# KiCad board EOutside.kicad_pcb (continued)
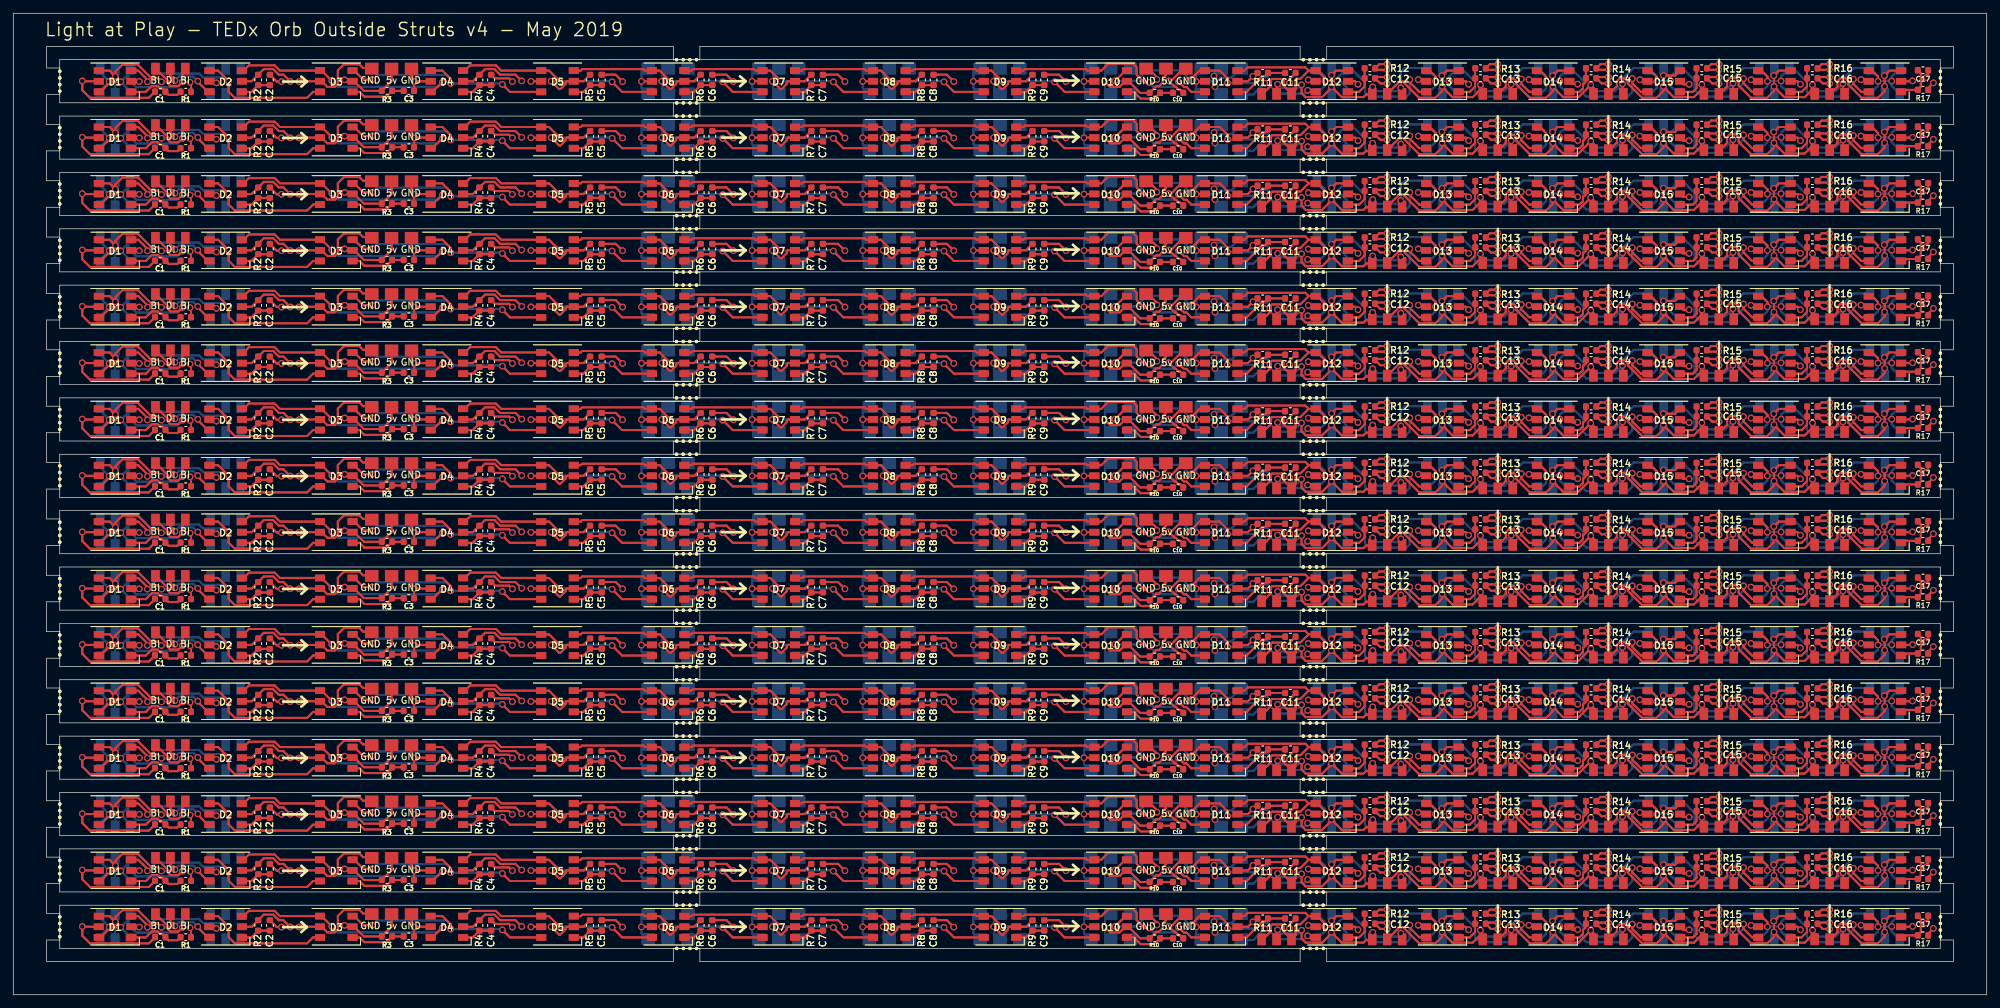
[diagram p0: board, top side]
## Routing (per net, layer and track width the routed paths; a pad name or vN(x,y) marks a point on that pad's centre or on a via; arc(x,y) is an arc through that point) (continued)
  Bottom w0.3: 200.92,127.25 200.97,127.3 200.92,127.25 ; 200.92,127.25 200.92,128.3 ; 200.92,127.25 200.92,128.3 ; 196.42,131.18 197.62,129.97 ; 196.42,131.18 196.42,131.3 196.42,131.18 ; 196.42,131.18 197.62,129.97 ; 197.62,129.97 v1(197.62,129.3) ; 197.62,129.97 v1(197.62,129.3) ; 196.42,127.38 197.62,128.58 ; 196.42,127.38 196.42,127.25 196.42,127.38 ; 196.42,127.38 197.62,128.58 ; 197.62,128.58 197.62,128.6 ; 197.62,128.58 197.62,128.6 ; 197.62,128.6 v1(197.62,129.3) ; 197.62,128.6 v1(197.62,129.3) ; 200.92,131.18 199.45,129.71 ; 200.92,131.18 200.92,131.3 ; 200.92,131.18 200.92,131.3 ; 200.92,131.18 199.45,129.71 ; 199.45,129.71 v1(199.45,129.3) ; 199.45,129.71 v1(199.45,129.3) ; 200.92,131.3 201.43,131.3 ; 200.92,131.3 201.43,131.3 ; v1(199.45,129.3) 199.92,129.3 ; v1(199.45,129.3) 199.92,129.3 ; 200.92,128.3 199.92,129.3 ; 200.92,128.3 199.92,129.3 ; 203.68,127.57 204.32,126.93 ; 203.68,127.57 203.68,129.05 ; 203.68,127.57 203.68,129.05 ; 203.68,127.57 204.32,126.93 ; 204.32,126.93 209.9,126.93 ; 204.32,126.93 209.9,126.93 ; 209.9,126.93 210.4,127.43 ; 209.9,126.93 210.4,127.43 ; 203.68,129.05 201.43,131.3 ; 203.68,129.05 201.43,131.3 ; 210.4,127.43 v1(210.4,129.5) 210.4,127.43 ; 200.92,118.75 200.97,118.8 200.92,118.75 ; 200.92,118.75 200.92,119.8 ; 200.92,118.75 200.92,119.8 ; 196.42,122.68 197.62,121.47 ; 196.42,122.68 196.42,122.8 196.42,122.68 ; 196.42,122.68 197.62,121.47 ; 197.62,121.47 v1(197.62,120.8) ; 197.62,121.47 v1(197.62,120.8) ; 196.42,118.88 197.62,120.08 ; 196.42,118.88 196.42,118.75 196.42,118.88 ; 196.42,118.88 197.62,120.08 ; 197.62,120.08 197.62,120.1 ; 197.62,120.08 197.62,120.1 ; 197.62,120.1 v1(197.62,120.8) ; 197.62,120.1 v1(197.62,120.8) ; 200.92,122.68 199.45,121.21 ; 200.92,122.68 200.92,122.8 ; 200.92,122.68 199.45,121.21 ; 200.92,122.68 200.92,122.8 ; 199.45,121.21 v1(199.45,120.8) ; 199.45,121.21 v1(199.45,120.8) ; 200.92,122.8 201.43,122.8 ; 200.92,122.8 201.43,122.8 ; v1(199.45,120.8) 199.92,120.8 ; v1(199.45,120.8) 199.92,120.8 ; 200.92,119.8 199.92,120.8 ; 200.92,119.8 199.92,120.8 ; 203.68,119.07 204.32,118.43 ; 203.68,119.07 203.68,120.55 ; 203.68,119.07 204.32,118.43 ; 203.68,119.07 203.68,120.55 ; 204.32,118.43 209.9,118.43 ; 204.32,118.43 209.9,118.43 ; 209.9,118.43 210.4,118.93 ; 209.9,118.43 210.4,118.93 ; 203.68,120.55 201.43,122.8 ; 203.68,120.55 201.43,122.8 ; 210.4,118.93 v1(210.4,121) 210.4,118.93 ; 196.42,110.38 196.42,110.25 196.42,110.38 ; 196.42,110.38 197.62,111.58 ; 196.42,110.38 197.62,111.58 ; 197.62,111.6 v1(197.62,112.3) ; 197.62,111.6 197.62,111.58 ; 197.62,111.6 v1(197.62,112.3) ; 197.62,111.6 197.62,111.58 ; v1(197.62,112.3) 197.62,112.97 ; v1(197.62,112.3) 197.62,112.97 ; 197.62,112.97 196.42,114.18 ; 197.62,112.97 196.42,114.18 ; 196.42,114.18 196.42,114.3 196.42,114.18 ; 200.92,110.25 200.97,110.3 200.92,110.25 ; 200.92,110.25 200.92,111.3 ; 200.92,110.25 200.92,111.3 ; 200.92,111.3 199.92,112.3 ; 200.92,111.3 199.92,112.3 ; 199.45,112.71 v1(199.45,112.3) ; 199.45,112.71 200.92,114.18 ; 199.45,112.71 v1(199.45,112.3) ; 199.45,112.71 200.92,114.18 ; v1(199.45,112.3) 199.92,112.3 ; v1(199.45,112.3) 199.92,112.3 ; 201.43,114.3 203.68,112.05 ; 201.43,114.3 200.92,114.3 ; 201.43,114.3 203.68,112.05 ; 201.43,114.3 200.92,114.3 ; 203.68,112.05 203.68,110.57 ; 203.68,112.05 203.68,110.57 ; 200.92,114.3 200.92,114.18 ; 200.92,114.3 200.92,114.18 ; 203.68,110.57 204.32,109.93 ; 203.68,110.57 204.32,109.93 ; 204.32,109.93 209.9,109.93 ; 204.32,109.93 209.9,109.93 ; 209.9,109.93 210.4,110.43 ; 209.9,109.93 210.4,110.43 ; 210.4,110.43 v1(210.4,112.5) 210.4,110.43 ; 200.92,135.75 200.97,135.8 200.92,135.75 ; 200.92,135.75 200.92,136.8 ; 200.92,135.75 200.92,136.8 ; 196.42,139.68 197.62,138.47 ; 196.42,139.68 196.42,139.8 196.42,139.68 ; 196.42,139.68 197.62,138.47 ; 197.62,138.47 v1(197.62,137.8) ; 197.62,138.47 v1(197.62,137.8) ; 196.42,135.88 197.62,137.08 ; 196.42,135.88 196.42,135.75 196.42,135.88 ; 196.42,135.88 197.62,137.08 ; 197.62,137.08 197.62,137.1 ; 197.62,137.08 197.62,137.1 ; 197.62,137.1 v1(197.62,137.8) ; 197.62,137.1 v1(197.62,137.8) ; 200.92,139.68 199.45,138.21 ; 200.92,139.68 200.92,139.8 ; 200.92,139.68 199.45,138.21 ; 200.92,139.68 200.92,139.8 ; 199.45,138.21 v1(199.45,137.8) ; 199.45,138.21 v1(199.45,137.8) ; 200.92,139.8 201.43,139.8 ; 200.92,139.8 201.43,139.8 ; v1(199.45,137.8) 199.92,137.8 ; v1(199.45,137.8) 199.92,137.8 ; 200.92,136.8 199.92,137.8 ; 200.92,136.8 199.92,137.8 ; 203.68,136.07 204.32,135.43 ; 203.68,136.07 203.68,137.55 ; 203.68,136.07 204.32,135.43 ; 203.68,136.07 203.68,137.55 ; 204.32,135.43 209.9,135.43 ; 204.32,135.43 209.9,135.43 ; 209.9,135.43 210.4,135.93 ; 209.9,135.43 210.4,135.93 ; 203.68,137.55 201.43,139.8 ; 203.68,137.55 201.43,139.8 ; 210.4,135.93 v1(210.4,138) 210.4,135.93 ; 200.92,101.75 200.97,101.8 200.92,101.75 ; 200.92,101.75 200.92,102.8 ; 200.92,101.75 200.92,102.8 ; 196.42,105.68 197.62,104.47 ; 196.42,105.68 196.42,105.8 196.42,105.68 ; 196.42,105.68 197.62,104.47 ; 197.62,104.47 v1(197.62,103.8) ; 197.62,104.47 v1(197.62,103.8) ; 196.42,101.88 197.62,103.08 ; 196.42,101.88 196.42,101.75 196.42,101.88 ; 196.42,101.88 197.62,103.08 ; 197.62,103.08 197.62,103.1 ; 197.62,103.08 197.62,103.1 ; 197.62,103.1 v1(197.62,103.8) ; 197.62,103.1 v1(197.62,103.8) ; 200.92,105.68 199.45,104.21 ; 200.92,105.68 200.92,105.8 ; 200.92,105.68 199.45,104.21 ; 200.92,105.68 200.92,105.8 ; 199.45,104.21 v1(199.45,103.8) ; 199.45,104.21 v1(199.45,103.8) ; 200.92,105.8 201.43,105.8 ; 200.92,105.8 201.43,105.8 ; v1(199.45,103.8) 199.92,103.8 ; v1(199.45,103.8) 199.92,103.8 ; 200.92,102.8 199.92,103.8 ; 200.92,102.8 199.92,103.8 ; 203.68,102.07 204.32,101.43 ; 203.68,102.07 203.68,103.55 ; 203.68,102.07 204.32,101.43 ; 203.68,102.07 203.68,103.55 ; 204.32,101.43 209.9,101.43 ; 204.32,101.43 209.9,101.43 ; 209.9,101.43 210.4,101.93 ; 209.9,101.43 210.4,101.93 ; 203.68,103.55 201.43,105.8 ; 203.68,103.55 201.43,105.8 ; 210.4,101.93 v1(210.4,104) 210.4,101.93 ; 196.42,93.38 196.42,93.25 196.42,93.38 ; 196.42,93.38 197.62,94.58 ; 196.42,93.38 197.62,94.58 ; 197.62,94.6 v1(197.62,95.3) ; 197.62,94.6 197.62,94.58 ; 197.62,94.6 v1(197.62,95.3) ; 197.62,94.6 197.62,94.58 ; v1(197.62,95.3) 197.62,95.97 ; v1(197.62,95.3) 197.62,95.97 ; 197.62,95.97 196.42,97.18 ; 197.62,95.97 196.42,97.18 ; 196.42,97.18 196.42,97.3 196.42,97.18 ; 200.92,93.25 200.97,93.3 200.92,93.25 ; 200.92,93.25 200.92,94.3 ; 200.92,93.25 200.92,94.3 ; 200.92,94.3 199.92,95.3 ; 200.92,94.3 199.92,95.3 ; 199.45,95.71 v1(199.45,95.3) ; 199.45,95.71 200.92,97.18 ; 199.45,95.71 v1(199.45,95.3) ; 199.45,95.71 200.92,97.18 ; v1(199.45,95.3) 199.92,95.3 ; v1(199.45,95.3) 199.92,95.3 ; 201.43,97.3 203.68,95.05 ; 201.43,97.3 200.92,97.3 ; 201.43,97.3 203.68,95.05 ; 201.43,97.3 200.92,97.3 ; 203.68,95.05 203.68,93.57 ; 203.68,95.05 203.68,93.57 ; 200.92,97.3 200.92,97.18 ; 200.92,97.3 200.92,97.18 ; 203.68,93.57 204.32,92.93 ; 203.68,93.57 204.32,92.93 ; 204.32,92.93 209.9,92.93 ; 204.32,92.93 209.9,92.93 ; 209.9,92.93 210.4,93.43 ; 209.9,92.93 210.4,93.43 ; 210.4,93.43 v1(210.4,95.5) 210.4,93.43 ; 200.92,76.25 200.97,76.3 200.92,76.25 ; 200.92,76.25 200.92,77.3 ; 200.92,76.25 200.92,77.3 ; 200.92,77.3 199.92,78.3 ; 200.92,77.3 199.92,78.3 ; 199.45,78.71 v1(199.45,78.3) ; 199.45,78.71 200.92,80.18 ; 199.45,78.71 v1(199.45,78.3) ; 199.45,78.71 200.92,80.18 ; v1(199.45,78.3) 199.92,78.3 ; v1(199.45,78.3) 199.92,78.3 ; 201.43,80.3 203.68,78.05 ; 201.43,80.3 200.92,80.3 ; 201.43,80.3 203.68,78.05 ; 201.43,80.3 200.92,80.3 ; 203.68,78.05 203.68,76.57 ; 203.68,78.05 203.68,76.57 ; 200.92,80.3 200.92,80.18 ; 200.92,80.3 200.92,80.18 ; 203.68,76.57 204.32,75.93 ; 203.68,76.57 204.32,75.93 ; 204.32,75.93 209.9,75.93 ; 204.32,75.93 209.9,75.93 ; 209.9,75.93 210.4,76.43 ; 209.9,75.93 210.4,76.43 ; 210.4,76.43 v1(210.4,78.5) 210.4,76.43 ; 196.42,76.38 196.42,76.25 196.42,76.38 ; 196.42,76.38 197.62,77.58 ; 196.42,76.38 197.62,77.58 ; 197.62,77.6 v1(197.62,78.3) ; 197.62,77.6 197.62,77.58 ; 197.62,77.6 v1(197.62,78.3) ; 197.62,77.6 197.62,77.58 ; v1(197.62,78.3) 197.62,78.97 ; v1(197.62,78.3) 197.62,78.97 ; 197.62,78.97 196.42,80.18 ; 197.62,78.97 196.42,80.18 ; 196.42,80.18 196.42,80.3 196.42,80.18 ; 210.4,84.93 v1(210.4,87) 210.4,84.93 ; 210.4,84.93 209.9,84.43 ; 210.4,84.93 209.9,84.43 ; 201.43,88.8 203.68,86.55 ; 201.43,88.8 200.92,88.8 ; 201.43,88.8 200.92,88.8 ; 201.43,88.8 203.68,86.55 ; 203.68,86.55 203.68,85.07 ; 203.68,86.55 203.68,85.07 ; 209.9,84.43 204.32,84.43 ; 209.9,84.43 204.32,84.43 ; 200.92,88.8 200.92,88.68 ; 200.92,88.8 200.92,88.68 ; 200.92,84.75 200.97,84.8 200.92,84.75 ; 200.92,84.75 200.92,85.8 ; 200.92,84.75 200.92,85.8 ; 196.42,88.68 197.62,87.47 ; 196.42,88.68 196.42,88.8 196.42,88.68 ; 196.42,88.68 197.62,87.47 ; 197.62,87.47 v1(197.62,86.8) ; 197.62,87.47 v1(197.62,86.8) ; 196.42,84.88 197.62,86.08 ; 196.42,84.88 196.42,84.75 196.42,84.88 ; 196.42,84.88 197.62,86.08 ; 197.62,86.08 197.62,86.1 ; 197.62,86.08 197.62,86.1 ; 197.62,86.1 v1(197.62,86.8) ; 197.62,86.1 v1(197.62,86.8) ; 200.92,88.68 199.45,87.21 ; 200.92,88.68 199.45,87.21 ; 199.45,87.21 v1(199.45,86.8) ; 199.45,87.21 v1(199.45,86.8) ; v1(199.45,86.8) 199.92,86.8 ; v1(199.45,86.8) 199.92,86.8 ; 200.92,85.8 199.92,86.8 ; 200.92,85.8 199.92,86.8 ; 203.68,85.07 204.32,84.43 ; 203.68,85.07 204.32,84.43 ; 200.92,67.75 200.97,67.8 200.92,67.75 ; 200.92,67.75 200.92,68.8 ; 200.92,67.75 200.92,68.8 ; 196.42,71.68 197.62,70.47 ; 196.42,71.68 196.42,71.8 196.42,71.68 ; 196.42,71.68 197.62,70.47 ; 197.62,70.47 v1(197.62,69.8) ; 197.62,70.47 v1(197.62,69.8) ; 196.42,67.88 197.62,69.08 ; 196.42,67.88 196.42,67.75 196.42,67.88 ; 196.42,67.88 197.62,69.08 ; 197.62,69.08 197.62,69.1 ; 197.62,69.08 197.62,69.1 ; 197.62,69.1 v1(197.62,69.8) ; 197.62,69.1 v1(197.62,69.8) ; 200.92,71.68 199.45,70.21 ; 200.92,71.68 200.92,71.8 ; 200.92,71.68 199.45,70.21 ; 200.92,71.68 200.92,71.8 ; 199.45,70.21 v1(199.45,69.8) ; 199.45,70.21 v1(199.45,69.8) ; 200.92,71.8 201.43,71.8 ; 200.92,71.8 201.43,71.8 ; v1(199.45,69.8) 199.92,69.8 ; v1(199.45,69.8) 199.92,69.8 ; 200.92,68.8 199.92,69.8 ; 200.92,68.8 199.92,69.8 ; 203.68,68.07 204.32,67.43 ; 203.68,68.07 203.68,69.55 ; 203.68,68.07 204.32,67.43 ; 203.68,68.07 203.68,69.55 ; 204.32,67.43 209.9,67.43 ; 204.32,67.43 209.9,67.43 ; 209.9,67.43 210.4,67.93 ; 209.9,67.43 210.4,67.93 ; 203.68,69.55 201.43,71.8 ; 203.68,69.55 201.43,71.8 ; 210.4,67.93 v1(210.4,70) 210.4,67.93 ; 200.92,59.25 200.92,60.3 ; 200.92,59.25 200.97,59.3 200.92,59.25 ; 200.92,59.25 200.92,60.3 ; 200.92,60.3 199.92,61.3 ; 200.92,60.3 199.92,61.3 ; 199.45,61.71 v1(199.45,61.3) ; 199.45,61.71 200.92,63.18 ; 199.45,61.71 v1(199.45,61.3) ; 199.45,61.71 200.92,63.18 ; v1(199.45,61.3) 199.92,61.3 ; v1(199.45,61.3) 199.92,61.3 ; 201.43,63.3 203.68,61.05 ; 201.43,63.3 200.92,63.3 ; 201.43,63.3 203.68,61.05 ; 201.43,63.3 200.92,63.3 ; 203.68,61.05 203.68,59.57 ; 203.68,61.05 203.68,59.57 ; 200.92,63.3 200.92,63.18 ; 200.92,63.3 200.92,63.18 ; 203.68,59.57 204.32,58.93 ; 203.68,59.57 204.32,58.93 ; 204.32,58.93 209.9,58.93 ; 204.32,58.93 209.9,58.93 ; 209.9,58.93 210.4,59.43 ; 209.9,58.93 210.4,59.43 ; 210.4,59.43 v1(210.4,61.5) 210.4,59.43 ; 196.42,59.38 196.42,59.25 196.42,59.38 ; 196.42,59.38 197.62,60.58 ; 196.42,59.38 197.62,60.58 ; 197.62,60.6 v1(197.62,61.3) ; 197.62,60.6 197.62,60.58 ; 197.62,60.6 v1(197.62,61.3) ; 197.62,60.6 197.62,60.58 ; v1(197.62,61.3) 197.62,61.97 ; v1(197.62,61.3) 197.62,61.97 ; 197.62,61.97 196.42,63.18 ; 197.62,61.97 196.42,63.18 ; 196.42,63.18 196.42,63.3 196.42,63.18 ; 200.92,42.25 200.97,42.3 200.92,42.25 ; 200.92,42.25 200.92,43.3 ; 200.92,42.25 200.92,43.3 ; 200.92,43.3 199.92,44.3 ; 200.92,43.3 199.92,44.3 ; 199.45,44.71 v1(199.45,44.3) ; 199.45,44.71 200.92,46.18 ; 199.45,44.71 v1(199.45,44.3) ; 199.45,44.71 200.92,46.18 ; v1(199.45,44.3) 199.92,44.3 ; v1(199.45,44.3) 199.92,44.3 ; 201.43,46.3 203.68,44.05 ; 201.43,46.3 200.92,46.3 ; 201.43,46.3 203.68,44.05 ; 201.43,46.3 200.92,46.3 ; 203.68,44.05 203.68,42.57 ; 203.68,44.05 203.68,42.57 ; 200.92,46.3 200.92,46.18 ; 200.92,46.3 200.92,46.18 ; 203.68,42.57 204.32,41.93 ; 203.68,42.57 204.32,41.93 ; 204.32,41.93 209.9,41.93 ; 204.32,41.93 209.9,41.93 ; 209.9,41.93 210.4,42.43 ; 209.9,41.93 210.4,42.43 ; 210.4,42.43 v1(210.4,44.5) 210.4,42.43 ; 196.42,46.18 197.62,44.97 ; 196.42,46.18 196.42,46.3 196.42,46.18 ; 196.42,46.18 197.62,44.97 ; 197.62,44.97 v1(197.62,44.3) ; 197.62,44.97 v1(197.62,44.3) ; 197.62,43.58 197.62,43.6 ; 197.62,43.58 196.42,42.38 ; 197.62,43.58 197.62,43.6 ; 197.62,43.58 196.42,42.38 ; 197.62,43.6 v1(197.62,44.3) ; 197.62,43.6 v1(197.62,44.3) ; 196.42,42.38 196.42,42.25 196.42,42.38 ; 210.4,50.93 v1(210.4,53) 210.4,50.93 ; 210.4,50.93 209.9,50.43 ; 210.4,50.93 209.9,50.43 ; 201.43,54.8 203.68,52.55 ; 201.43,54.8 200.92,54.8 ; 201.43,54.8 200.92,54.8 ; 201.43,54.8 203.68,52.55 ; 203.68,52.55 203.68,51.07 ; 203.68,52.55 203.68,51.07 ; 209.9,50.43 204.32,50.43 ; 209.9,50.43 204.32,50.43 ; 200.92,54.8 200.92,54.68 ; 200.92,54.8 200.92,54.68 ; 200.92,50.75 200.97,50.8 200.92,50.75 ; 200.92,50.75 200.92,51.8 ; 200.92,50.75 200.92,51.8 ; 196.42,54.68 197.62,53.47 ; 196.42,54.68 196.42,54.8 196.42,54.68 ; 196.42,54.68 197.62,53.47 ; 197.62,53.47 v1(197.62,52.8) ; 197.62,53.47 v1(197.62,52.8) ; 196.42,50.88 197.62,52.08 ; 196.42,50.88 196.42,50.75 196.42,50.88 ; 196.42,50.88 197.62,52.08 ; 197.62,52.08 197.62,52.1 ; 197.62,52.08 197.62,52.1 ; 197.62,52.1 v1(197.62,52.8) ; 197.62,52.1 v1(197.62,52.8) ; 200.92,54.68 199.45,53.21 ; 200.92,54.68 199.45,53.21 ; 199.45,53.21 v1(199.45,52.8) ; 199.45,53.21 v1(199.45,52.8) ; v1(199.45,52.8) 199.92,52.8 ; v1(199.45,52.8) 199.92,52.8 ; 200.92,51.8 199.92,52.8 ; 200.92,51.8 199.92,52.8 ; 203.68,51.07 204.32,50.43 ; 203.68,51.07 204.32,50.43 ; 196.42,25.38 196.42,25.25 196.42,25.38 ; 196.42,25.38 197.62,26.58 ; 196.42,25.38 197.62,26.58 ; 197.62,26.6 v1(197.62,27.3) ; 197.62,26.6 197.62,26.58 ; 197.62,26.6 v1(197.62,27.3) ; 197.62,26.6 197.62,26.58 ; v1(197.62,27.3) 197.62,27.97 ; v1(197.62,27.3) 197.62,27.97 ; 197.62,27.97 196.42,29.18 ; 197.62,27.97 196.42,29.18 ; 196.42,29.18 196.42,29.3 196.42,29.18 ; 200.92,25.25 200.97,25.3 200.92,25.25 ; 200.92,25.25 200.92,26.3 ; 200.92,25.25 200.92,26.3 ; 200.92,26.3 199.92,27.3 ; 200.92,26.3 199.92,27.3 ; 199.45,27.71 v1(199.45,27.3) ; 199.45,27.71 200.92,29.18 ; 199.45,27.71 v1(199.45,27.3) ; 199.45,27.71 200.92,29.18 ; v1(199.45,27.3) 199.92,27.3 ; v1(199.45,27.3) 199.92,27.3 ; 201.43,29.3 203.68,27.05 ; 201.43,29.3 200.92,29.3 ; 201.43,29.3 203.68,27.05 ; 201.43,29.3 200.92,29.3 ; 203.68,27.05 203.68,25.57 ; 203.68,27.05 203.68,25.57 ; 200.92,29.3 200.92,29.18 ; 200.92,29.3 200.92,29.18 ; 203.68,25.57 204.32,24.93 ; 203.68,25.57 204.32,24.93 ; 204.32,24.93 209.9,24.93 ; 204.32,24.93 209.9,24.93 ; 209.9,24.93 210.4,25.43 ; 209.9,24.93 210.4,25.43 ; 210.4,25.43 v1(210.4,27.5) 210.4,25.43 ; 200.92,33.75 200.97,33.8 200.92,33.75 ; 200.92,33.75 200.92,34.8 ; 200.92,33.75 200.92,34.8 ; 196.42,37.68 197.62,36.47 ; 196.42,37.68 196.42,37.8 196.42,37.68 ; 196.42,37.68 197.62,36.47 ; 197.62,36.47 v1(197.62,35.8) ; 197.62,36.47 v1(197.62,35.8) ; 196.42,33.88 197.62,35.08 ; 196.42,33.88 196.42,33.75 196.42,33.88 ; 196.42,33.88 197.62,35.08 ; 197.62,35.08 197.62,35.1 ; 197.62,35.08 197.62,35.1 ; 197.62,35.1 v1(197.62,35.8) ; 197.62,35.1 v1(197.62,35.8) ; 200.92,37.68 199.45,36.21 ; 200.92,37.68 200.92,37.8 ; 200.92,37.68 199.45,36.21 ; 200.92,37.68 200.92,37.8 ; 199.45,36.21 v1(199.45,35.8) ; 199.45,36.21 v1(199.45,35.8) ; 200.92,37.8 201.43,37.8 ; 200.92,37.8 201.43,37.8 ; v1(199.45,35.8) 199.92,35.8 ; v1(199.45,35.8) 199.92,35.8 ; 200.92,34.8 199.92,35.8 ; 200.92,34.8 199.92,35.8 ; 203.68,34.07 204.32,33.43 ; 203.68,34.07 203.68,35.55 ; 203.68,34.07 204.32,33.43 ; 203.68,34.07 203.68,35.55 ; 204.32,33.43 209.9,33.43 ; 204.32,33.43 209.9,33.43 ; 209.9,33.43 210.4,33.93 ; 209.9,33.43 210.4,33.93 ; 203.68,35.55 201.43,37.8 ; 203.68,35.55 201.43,37.8 ; 210.4,33.93 v1(210.4,36) 210.4,33.93 ; 196.42,12.18 197.62,10.97 ; 196.42,12.18 196.42,12.3 196.42,12.18 ; 196.42,12.18 197.62,10.97 ; 197.62,10.97 v1(197.62,10.3) ; 197.62,10.97 v1(197.62,10.3) ; 197.62,9.58 197.62,9.6 ; 197.62,9.58 196.42,8.38 ; 197.62,9.58 197.62,9.6 ; 197.62,9.58 196.42,8.38 ; 197.62,9.6 v1(197.62,10.3) ; 197.62,9.6 v1(197.62,10.3) ; 196.42,8.38 196.42,8.25 196.42,8.38 ; 210.4,16.93 v1(210.4,19) 210.4,16.93 ; 210.4,16.93 209.9,16.43 ; 210.4,16.93 209.9,16.43 ; 201.43,20.8 203.68,18.55 ; 201.43,20.8 200.92,20.8 ; 201.43,20.8 200.92,20.8 ; 201.43,20.8 203.68,18.55 ; 203.68,18.55 203.68,17.07 ; 203.68,18.55 203.68,17.07 ; 209.9,16.43 204.32,16.43 ; 209.9,16.43 204.32,16.43 ; 200.92,20.8 200.92,20.68 ; 200.92,20.8 200.92,20.68 ; 200.92,16.75 200.97,16.8 200.92,16.75 ; 200.92,16.75 200.92,17.8 ; 200.92,16.75 200.92,17.8 ; 196.42,20.68 197.62,19.47 ; 196.42,20.68 196.42,20.8 196.42,20.68 ; 196.42,20.68 197.62,19.47 ; 197.62,19.47 v1(197.62,18.8) ; 197.62,19.47 v1(197.62,18.8) ; 196.42,16.88 197.62,18.08 ; 196.42,16.88 196.42,16.75 196.42,16.88 ; 196.42,16.88 197.62,18.08 ; 197.62,18.08 197.62,18.1 ; 197.62,18.08 197.62,18.1 ; 197.62,18.1 v1(197.62,18.8) ; 197.62,18.1 v1(197.62,18.8) ; 200.92,20.68 199.45,19.21 ; 200.92,20.68 199.45,19.21 ; 199.45,19.21 v1(199.45,18.8) ; 199.45,19.21 v1(199.45,18.8) ; v1(199.45,18.8) 199.92,18.8 ; v1(199.45,18.8) 199.92,18.8 ; 200.92,17.8 199.92,18.8 ; 200.92,17.8 199.92,18.8 ; 203.68,17.07 204.32,16.43 ; 203.68,17.07 204.32,16.43 ; 200.92,8.25 200.92,9.3 ; 200.92,8.25 200.97,8.3 200.92,8.25 ; 200.92,8.25 200.92,9.3 ; 200.92,9.3 199.92,10.3 ; 200.92,9.3 199.92,10.3 ; 199.45,10.71 v1(199.45,10.3) ; 199.45,10.71 200.92,12.18 ; 199.45,10.71 v1(199.45,10.3) ; 199.45,10.71 200.92,12.18 ; v1(199.45,10.3) 199.92,10.3 ; v1(199.45,10.3) 199.92,10.3 ; 201.43,12.3 203.68,10.05 ; 201.43,12.3 200.92,12.3 ; 201.43,12.3 203.68,10.05 ; 201.43,12.3 200.92,12.3 ; 203.68,10.05 203.68,8.57 ; 203.68,10.05 203.68,8.57 ; 200.92,12.3 200.92,12.18 ; 200.92,12.3 200.92,12.18 ; 203.68,8.57 204.32,7.93 ; 203.68,8.57 204.32,7.93 ; 204.32,7.93 209.9,7.93 ; 204.32,7.93 209.9,7.93 ; 209.9,7.93 210.4,8.43 ; 209.9,7.93 210.4,8.43 ; 210.4,8.43 v1(210.4,10.5) 210.4,8.43
Net-(D12-Pad3): length 2307.8
  Top w0.3: 203.83,127.25 203.42,126.85 ; 203.83,127.25 204.75,127.25 ; 203.83,127.25 203.42,126.85 ; 203.83,127.25 204.75,127.25 ; 203.42,126.85 200.17,126.85 ; 203.42,126.85 200.17,126.85 ; 194.72,126.85 197.2,126.85 ; 194.72,126.85 194.1,127.47 ; 194.72,126.85 197.2,126.85 ; 194.72,126.85 194.1,127.47 ; 197.2,126.85 198.6,128.25 ; 197.2,126.85 198.6,128.25 ; 198.6,128.25 v1(198.6,128.42) ; 198.6,128.25 v1(198.6,128.42) ; v1(198.6,128.42) 199.1,127.92 ; v1(198.6,128.42) 199.1,127.92 ; 194.1,127.47 v1(194.1,128.73) 194.1,127.47 ; 190.33,128.63 v1(190.5,128.8) 190.33,128.63 ; 190.33,128.63 190.33,127.25 190.33,128.63 ; D12#2.3 201.37,130.85 D12#2.3 ; D12#2.3 199.31,130.85 ; D12#2.3 199.31,130.85 ; 199.12,130.66 v1(198.62,130.16) 199.12,130.66 ; 199.12,130.66 199.31,130.85 ; 199.12,130.66 199.31,130.85 ; 204.75,127.25 204.75,128.34 ; 204.75,127.25 204.75,128.34 ; 200.17,126.85 199.1,127.92 ; 200.17,126.85 199.1,127.92 ; 209.05,127.56 v1(209.05,128.26) 209.05,127.56 ; 209.05,127.56 209.05,127.45 ; 209.05,127.56 209.05,127.45 ; 209.05,127.45 209.25,127.25 209.05,127.45 ; 204.75,128.34 v1(204.81,128.4) 204.75,128.34 ; 214.29,129.96 213.39,130.85 ; 214.29,129.96 v1(214.29,129.25) 214.29,129.96 ; 214.29,129.96 213.39,130.85 ; 213.39,130.85 D13#2.4 213.39,130.85 ; 228.42,127.65 D14#2.6 228.42,127.65 ; 228.42,127.65 227.2,128.87 ; 228.42,127.65 227.2,128.87 ; 227.2,128.87 v1(227.2,129.58) 227.2,128.87 ; 203.83,118.75 203.42,118.35 ; 203.83,118.75 204.75,118.75 ; 203.83,118.75 203.42,118.35 ; 203.83,118.75 204.75,118.75 ; 203.42,118.35 200.17,118.35 ; 203.42,118.35 200.17,118.35 ; 194.72,118.35 197.2,118.35 ; 194.72,118.35 194.1,118.97 ; 194.72,118.35 197.2,118.35 ; 194.72,118.35 194.1,118.97 ; 197.2,118.35 198.6,119.75 ; 197.2,118.35 198.6,119.75 ; 198.6,119.75 v1(198.6,119.92) ; 198.6,119.75 v1(198.6,119.92) ; v1(198.6,119.92) 199.1,119.42 ; v1(198.6,119.92) 199.1,119.42 ; 194.1,118.97 v1(194.1,120.23) 194.1,118.97 ; 190.33,120.13 v1(190.5,120.3) 190.33,120.13 ; 190.33,120.13 190.33,118.75 190.33,120.13 ; D12#3.3 201.37,122.35 D12#3.3 ; D12#3.3 199.31,122.35 ; D12#3.3 199.31,122.35 ; 199.12,122.16 v1(198.62,121.66) 199.12,122.16 ; 199.12,122.16 199.31,122.35 ; 199.12,122.16 199.31,122.35 ; 204.75,118.75 204.75,119.84 ; 204.75,118.75 204.75,119.84 ; 200.17,118.35 199.1,119.42 ; 200.17,118.35 199.1,119.42 ; 209.05,119.06 v1(209.05,119.76) 209.05,119.06 ; 209.05,119.06 209.05,118.95 ; 209.05,119.06 209.05,118.95 ; 209.05,118.95 209.25,118.75 209.05,118.95 ; 204.75,119.84 v1(204.81,119.9) 204.75,119.84 ; 214.29,121.46 213.39,122.35 ; 214.29,121.46 v1(214.29,120.75) 214.29,121.46 ; 214.29,121.46 213.39,122.35 ; 213.39,122.35 D13#3.4 213.39,122.35 ; 228.42,119.15 D14#3.6 228.42,119.15 ; 228.42,119.15 227.2,120.37 ; 228.42,119.15 227.2,120.37 ; 227.2,120.37 v1(227.2,121.08) 227.2,120.37 ; 228.42,110.65 227.2,111.87 ; 228.42,110.65 D14#4.6 228.42,110.65 ; 228.42,110.65 227.2,111.87 ; 227.2,111.87 v1(227.2,112.58) 227.2,111.87 ; 203.83,110.25 203.42,109.85 ; 203.83,110.25 204.75,110.25 ; 203.83,110.25 204.75,110.25 ; 203.83,110.25 203.42,109.85 ; 203.42,109.85 200.17,109.85 ; 203.42,109.85 200.17,109.85 ; 198.6,111.25 v1(198.6,111.42) ; 198.6,111.25 197.2,109.85 ; 198.6,111.25 197.2,109.85 ; 198.6,111.25 v1(198.6,111.42) ; v1(198.6,111.42) 199.1,110.92 ; v1(198.6,111.42) 199.1,110.92 ; 194.72,109.85 197.2,109.85 ; 194.72,109.85 194.1,110.47 ; 194.72,109.85 194.1,110.47 ; 194.72,109.85 197.2,109.85 ; 214.29,112.96 v1(214.29,112.25) 214.29,112.96 ; 214.29,112.96 213.39,113.85 ; 214.29,112.96 213.39,113.85 ; 213.39,113.85 D13#4.4 213.39,113.85 ; 204.75,110.25 204.75,111.34 ; 204.75,110.25 204.75,111.34 ; 204.75,111.34 v1(204.81,111.4) 204.75,111.34 ; 209.05,110.56 v1(209.05,111.26) 209.05,110.56 ; 209.05,110.56 209.05,110.45 ; 209.05,110.56 209.05,110.45 ; 199.1,110.92 200.17,109.85 ; 199.1,110.92 200.17,109.85 ; 209.05,110.45 209.25,110.25 209.05,110.45 ; 199.31,113.85 199.12,113.66 ; 199.31,113.85 D12#4.3 ; 199.31,113.85 199.12,113.66 ; 199.31,113.85 D12#4.3 ; 199.12,113.66 v1(198.62,113.16) 199.12,113.66 ; D12#4.3 201.37,113.85 D12#4.3 ; 190.33,111.63 190.33,110.25 190.33,111.63 ; 190.33,111.63 v1(190.5,111.8) 190.33,111.63 ; 194.1,110.47 v1(194.1,111.73) 194.1,110.47 ; 203.83,135.75 203.42,135.35 ; 203.83,135.75 204.75,135.75 ; 203.83,135.75 203.42,135.35 ; 203.83,135.75 204.75,135.75 ; 203.42,135.35 200.17,135.35 ; 203.42,135.35 200.17,135.35 ; 194.72,135.35 197.2,135.35 ; 194.72,135.35 194.1,135.97 ; 194.72,135.35 197.2,135.35 ; 194.72,135.35 194.1,135.97 ; 197.2,135.35 198.6,136.75 ; 197.2,135.35 198.6,136.75 ; 198.6,136.75 v1(198.6,136.92) ; 198.6,136.75 v1(198.6,136.92) ; v1(198.6,136.92) 199.1,136.42 ; v1(198.6,136.92) 199.1,136.42 ; 194.1,135.97 v1(194.1,137.23) 194.1,135.97 ; 190.33,137.13 v1(190.5,137.3) 190.33,137.13 ; 190.33,137.13 190.33,135.75 190.33,137.13 ; D12.3 201.37,139.35 D12.3 ; D12.3 199.31,139.35 ; D12.3 199.31,139.35 ; 199.12,139.16 v1(198.62,138.66) 199.12,139.16 ; 199.12,139.16 199.31,139.35 ; 199.12,139.16 199.31,139.35 ; 204.75,135.75 204.75,136.84 ; 204.75,135.75 204.75,136.84 ; 200.17,135.35 199.1,136.42 ; 200.17,135.35 199.1,136.42 ; 209.05,136.06 v1(209.05,136.76) 209.05,136.06 ; 209.05,136.06 209.05,135.95 ; 209.05,136.06 209.05,135.95 ; 209.05,135.95 209.25,135.75 209.05,135.95 ; 204.75,136.84 v1(204.81,136.9) 204.75,136.84 ; 214.29,138.46 213.39,139.35 ; 214.29,138.46 v1(214.29,137.75) 214.29,138.46 ; 214.29,138.46 213.39,139.35 ; 213.39,139.35 D13.4 213.39,139.35 ; 228.42,136.15 D14.6 228.42,136.15 ; 228.42,136.15 227.2,137.37 ; 228.42,136.15 227.2,137.37 ; 227.2,137.37 v1(227.2,138.08) 227.2,137.37 ; 203.83,101.75 203.42,101.35 ; 203.83,101.75 204.75,101.75 ; 203.83,101.75 203.42,101.35 ; 203.83,101.75 204.75,101.75 ; 203.42,101.35 200.17,101.35 ; 203.42,101.35 200.17,101.35 ; 194.72,101.35 197.2,101.35 ; 194.72,101.35 194.1,101.97 ; 194.72,101.35 197.2,101.35 ; 194.72,101.35 194.1,101.97 ; 197.2,101.35 198.6,102.75 ; 197.2,101.35 198.6,102.75 ; 198.6,102.75 v1(198.6,102.92) ; 198.6,102.75 v1(198.6,102.92) ; v1(198.6,102.92) 199.1,102.42 ; v1(198.6,102.92) 199.1,102.42 ; 194.1,101.97 v1(194.1,103.23) 194.1,101.97 ; 190.33,103.13 v1(190.5,103.3) 190.33,103.13 ; 190.33,103.13 190.33,101.75 190.33,103.13 ; D12#11.3 201.37,105.35 D12#11.3 ; D12#11.3 199.31,105.35 ; D12#11.3 199.31,105.35 ; 199.12,105.16 v1(198.62,104.66) 199.12,105.16 ; 199.12,105.16 199.31,105.35 ; 199.12,105.16 199.31,105.35 ; 204.75,101.75 204.75,102.84 ; 204.75,101.75 204.75,102.84 ; 200.17,101.35 199.1,102.42 ; 200.17,101.35 199.1,102.42 ; 209.05,102.06 v1(209.05,102.76) 209.05,102.06 ; 209.05,102.06 209.05,101.95 ; 209.05,102.06 209.05,101.95 ; 209.05,101.95 209.25,101.75 209.05,101.95 ; 204.75,102.84 v1(204.81,102.9) 204.75,102.84 ; 214.29,104.46 213.39,105.35 ; 214.29,104.46 v1(214.29,103.75) 214.29,104.46 ; 214.29,104.46 213.39,105.35 ; 213.39,105.35 D13#11.4 213.39,105.35 ; 228.42,102.15 D14#11.6 228.42,102.15 ; 228.42,102.15 227.2,103.37 ; 228.42,102.15 227.2,103.37 ; 227.2,103.37 v1(227.2,104.08) 227.2,103.37 ; 228.42,93.65 227.2,94.87 ; 228.42,93.65 D14#14.6 228.42,93.65 ; 228.42,93.65 227.2,94.87 ; 227.2,94.87 v1(227.2,95.58) 227.2,94.87 ; 203.83,93.25 203.42,92.85 ; 203.83,93.25 204.75,93.25 ; 203.83,93.25 204.75,93.25 ; 203.83,93.25 203.42,92.85 ; 203.42,92.85 200.17,92.85 ; 203.42,92.85 200.17,92.85 ; 198.6,94.25 v1(198.6,94.42) ; 198.6,94.25 197.2,92.85 ; 198.6,94.25 197.2,92.85 ; 198.6,94.25 v1(198.6,94.42) ; v1(198.6,94.42) 199.1,93.92 ; v1(198.6,94.42) 199.1,93.92 ; 194.72,92.85 197.2,92.85 ; 194.72,92.85 194.1,93.47 ; 194.72,92.85 194.1,93.47 ; 194.72,92.85 197.2,92.85 ; 214.29,95.96 v1(214.29,95.25) 214.29,95.96 ; 214.29,95.96 213.39,96.85 ; 214.29,95.96 213.39,96.85 ; 213.39,96.85 D13#14.4 213.39,96.85 ; 204.75,93.25 204.75,94.34 ; 204.75,93.25 204.75,94.34 ; 204.75,94.34 v1(204.81,94.4) 204.75,94.34 ; 209.05,93.56 v1(209.05,94.26) 209.05,93.56 ; 209.05,93.56 209.05,93.45 ; 209.05,93.56 209.05,93.45 ; 199.1,93.92 200.17,92.85 ; 199.1,93.92 200.17,92.85 ; 209.05,93.45 209.25,93.25 209.05,93.45 ; 199.31,96.85 199.12,96.66 ; 199.31,96.85 D12#15.3 ; 199.31,96.85 199.12,96.66 ; 199.31,96.85 D12#15.3 ; 199.12,96.66 v1(198.62,96.16) 199.12,96.66 ; D12#15.3 201.37,96.85 D12#15.3 ; 190.33,94.63 190.33,93.25 190.33,94.63 ; 190.33,94.63 v1(190.5,94.8) 190.33,94.63 ; 194.1,93.47 v1(194.1,94.73) 194.1,93.47 ; 214.29,78.96 v1(214.29,78.25) 214.29,78.96 ; 214.29,78.96 213.39,79.85 ; 214.29,78.96 213.39,79.85 ; 213.39,79.85 D13#9.4 213.39,79.85 ; 204.75,76.25 204.75,77.34 ; 204.75,76.25 203.83,76.25 ; 204.75,76.25 204.75,77.34 ; 204.75,76.25 203.83,76.25 ; 204.75,77.34 v1(204.81,77.4) 204.75,77.34 ; 209.05,76.56 v1(209.05,77.26) 209.05,76.56 ; 209.05,76.56 209.05,76.45 ; 209.05,76.56 209.05,76.45 ; 199.1,76.92 v1(198.6,77.42) ; 199.1,76.92 200.17,75.85 ; 199.1,76.92 v1(198.6,77.42) ; 199.1,76.92 200.17,75.85 ; v1(198.6,77.42) 198.6,77.25 ; v1(198.6,77.42) 198.6,77.25 ; 209.05,76.45 209.25,76.25 209.05,76.45 ; 203.42,75.85 200.17,75.85 ; 203.42,75.85 203.83,76.25 ; 203.42,75.85 203.83,76.25 ; 203.42,75.85 200.17,75.85 ; 197.2,75.85 198.6,77.25 ; 197.2,75.85 194.72,75.85 ; 197.2,75.85 194.72,75.85 ; 197.2,75.85 198.6,77.25 ; 199.31,79.85 199.12,79.66 ; 199.31,79.85 D12#13.3 ; 199.31,79.85 199.12,79.66 ; 199.31,79.85 D12#13.3 ; 199.12,79.66 v1(198.62,79.16) 199.12,79.66 ; D12#13.3 201.37,79.85 D12#13.3 ; 190.33,77.63 190.33,76.25 190.33,77.63 ; 190.33,77.63 v1(190.5,77.8) 190.33,77.63 ; 194.1,76.47 v1(194.1,77.73) 194.1,76.47 ; 194.1,76.47 194.72,75.85 ; 194.1,76.47 194.72,75.85 ; 228.42,76.65 D14#10.6 228.42,76.65 ; 228.42,76.65 227.2,77.87 ; 228.42,76.65 227.2,77.87 ; 227.2,77.87 v1(227.2,78.58) 227.2,77.87 ; 228.42,85.15 D14#9.6 228.42,85.15 ; 228.42,85.15 227.2,86.37 ; 228.42,85.15 227.2,86.37 ; 227.2,86.37 v1(227.2,87.08) 227.2,86.37 ; 203.83,84.75 203.42,84.35 ; 203.83,84.75 204.75,84.75 ; 203.83,84.75 204.75,84.75 ; 203.83,84.75 203.42,84.35 ; 203.42,84.35 200.17,84.35 ; 203.42,84.35 200.17,84.35 ; 194.72,84.35 197.2,84.35 ; 194.72,84.35 194.1,84.97 ; 194.72,84.35 197.2,84.35 ; 194.72,84.35 194.1,84.97 ; 197.2,84.35 198.6,85.75 ; 197.2,84.35 198.6,85.75 ; 198.6,85.75 v1(198.6,85.92) ; 198.6,85.75 v1(198.6,85.92) ; v1(198.6,85.92) 199.1,85.42 ; v1(198.6,85.92) 199.1,85.42 ; 194.1,84.97 v1(194.1,86.23) 194.1,84.97 ; 190.33,86.13 v1(190.5,86.3) 190.33,86.13 ; 190.33,86.13 190.33,84.75 190.33,86.13 ; D12#9.3 201.37,88.35 D12#9.3 ; D12#9.3 199.31,88.35 ; D12#9.3 199.31,88.35 ; 199.31,88.35 199.12,88.16 ; 199.31,88.35 199.12,88.16 ; 199.12,88.16 v1(198.62,87.66) 199.12,88.16 ; 204.75,84.75 204.75,85.84 ; 204.75,84.75 204.75,85.84 ; 200.17,84.35 199.1,85.42 ; 200.17,84.35 199.1,85.42 ; 209.05,85.06 v1(209.05,85.76) 209.05,85.06 ; 209.05,85.06 209.05,84.95 ; 209.05,85.06 209.05,84.95 ; 209.05,84.95 209.25,84.75 209.05,84.95 ; 204.75,85.84 v1(204.81,85.9) 204.75,85.84 ; 214.29,87.46 213.39,88.35 ; 214.29,87.46 v1(214.29,86.75) 214.29,87.46 ; 214.29,87.46 213.39,88.35 ; 213.39,88.35 D13#10.4 213.39,88.35 ; 228.42,68.15 D14#22.6 228.42,68.15 ; 228.42,68.15 227.2,69.37 ; 228.42,68.15 227.2,69.37 ; 227.2,69.37 v1(227.2,70.08) 227.2,69.37 ; 194.1,67.97 v1(194.1,69.23) 194.1,67.97 ; 194.1,67.97 194.72,67.35 ; 194.1,67.97 194.72,67.35 ; 194.72,67.35 197.2,67.35 ; 194.72,67.35 197.2,67.35 ; 190.33,69.13 v1(190.5,69.3) 190.33,69.13 ; 190.33,69.13 190.33,67.75 190.33,69.13 ; 198.6,68.75 v1(198.6,68.92) ; 198.6,68.75 197.2,67.35 ; 198.6,68.75 197.2,67.35 ; 198.6,68.75 v1(198.6,68.92) ; v1(198.6,68.92) 199.1,68.42 ; v1(198.6,68.92) 199.1,68.42 ; 203.83,67.75 203.42,67.35 ; 203.83,67.75 204.75,67.75 ; 203.83,67.75 203.42,67.35 ; 203.83,67.75 204.75,67.75 ; 203.42,67.35 200.17,67.35 ; 203.42,67.35 200.17,67.35 ; D12#17.3 201.37,71.35 D12#17.3 ; D12#17.3 199.31,71.35 ; D12#17.3 199.31,71.35 ; 199.12,71.16 v1(198.62,70.66) 199.12,71.16 ; 199.12,71.16 199.31,71.35 ; 199.12,71.16 199.31,71.35 ; 204.75,67.75 204.75,68.84 ; 204.75,67.75 204.75,68.84 ; 200.17,67.35 199.1,68.42 ; 200.17,67.35 199.1,68.42 ; 209.05,68.06 v1(209.05,68.76) 209.05,68.06 ; 209.05,68.06 209.05,67.95 ; 209.05,68.06 209.05,67.95 ; 209.05,67.95 209.25,67.75 209.05,67.95 ; 204.75,68.84 v1(204.81,68.9) 204.75,68.84 ; 214.29,70.46 213.39,71.35 ; 214.29,70.46 v1(214.29,69.75) 214.29,70.46 ; 214.29,70.46 213.39,71.35 ; 213.39,71.35 D13#23.4 213.39,71.35 ; 214.29,61.96 v1(214.29,61.25) 214.29,61.96 ; 214.29,61.96 213.39,62.85 ; 214.29,61.96 213.39,62.85 ; 213.39,62.85 D13#21.4 213.39,62.85 ; 204.75,59.25 204.75,60.34 ; 204.75,59.25 203.83,59.25 ; 204.75,59.25 204.75,60.34 ; 204.75,59.25 203.83,59.25 ; 204.75,60.34 v1(204.81,60.4) 204.75,60.34 ; 209.05,59.56 v1(209.05,60.26) 209.05,59.56 ; 209.05,59.56 209.05,59.45 ; 209.05,59.56 209.05,59.45 ; 199.1,59.92 v1(198.6,60.42) ; 199.1,59.92 200.17,58.85 ; 199.1,59.92 v1(198.6,60.42) ; 199.1,59.92 200.17,58.85 ; v1(198.6,60.42) 198.6,60.25 ; v1(198.6,60.42) 198.6,60.25 ; 209.05,59.45 209.25,59.25 209.05,59.45 ; 203.42,58.85 200.17,58.85 ; 203.42,58.85 203.83,59.25 ; 203.42,58.85 203.83,59.25 ; 203.42,58.85 200.17,58.85 ; 197.2,58.85 198.6,60.25 ; 197.2,58.85 194.72,58.85 ; 197.2,58.85 194.72,58.85 ; 197.2,58.85 198.6,60.25 ; 199.31,62.85 199.12,62.66 ; 199.31,62.85 D12#21.3 ; 199.31,62.85 199.12,62.66 ; 199.31,62.85 D12#21.3 ; 199.12,62.66 v1(198.62,62.16) 199.12,62.66 ; D12#21.3 201.37,62.85 D12#21.3 ; 190.33,60.63 190.33,59.25 190.33,60.63 ; 190.33,60.63 v1(190.5,60.8) 190.33,60.63 ; 194.1,59.47 v1(194.1,60.73) 194.1,59.47 ; 194.1,59.47 194.72,58.85 ; 194.1,59.47 194.72,58.85 ; 228.42,59.65 D14#17.6 228.42,59.65 ; 228.42,59.65 227.2,60.87 ; 228.42,59.65 227.2,60.87 ; 227.2,60.87 v1(227.2,61.58) 227.2,60.87 ; 214.29,44.96 v1(214.29,44.25) 214.29,44.96 ; 214.29,44.96 213.39,45.85 ; 214.29,44.96 213.39,45.85 ; 213.39,45.85 D13#18.4 213.39,45.85 ; 204.75,42.25 204.75,43.34 ; 204.75,42.25 203.83,42.25 ; 204.75,42.25 204.75,43.34 ; 204.75,42.25 203.83,42.25 ; 204.75,43.34 v1(204.81,43.4) 204.75,43.34 ; 209.05,42.56 v1(209.05,43.26) 209.05,42.56 ; 209.05,42.56 209.05,42.45 ; 209.05,42.56 209.05,42.45 ; 199.1,42.92 v1(198.6,43.42) ; 199.1,42.92 200.17,41.85 ; 199.1,42.92 v1(198.6,43.42) ; 199.1,42.92 200.17,41.85 ; v1(198.6,43.42) 198.6,43.25 ; v1(198.6,43.42) 198.6,43.25 ; 209.05,42.45 209.25,42.25 209.05,42.45 ; 203.42,41.85 200.17,41.85 ; 203.42,41.85 203.83,42.25 ; 203.42,41.85 203.83,42.25 ; 203.42,41.85 200.17,41.85 ; 197.2,41.85 198.6,43.25 ; 197.2,41.85 194.72,41.85 ; 197.2,41.85 194.72,41.85 ; 197.2,41.85 198.6,43.25 ; 199.31,45.85 199.12,45.66 ; 199.31,45.85 D12#23.3 ; 199.31,45.85 199.12,45.66 ; 199.31,45.85 D12#23.3 ; 199.12,45.66 v1(198.62,45.16) 199.12,45.66 ; D12#23.3 201.37,45.85 D12#23.3 ; 190.33,43.63 190.33,42.25 190.33,43.63 ; 190.33,43.63 v1(190.5,43.8) 190.33,43.63 ; 194.1,42.47 v1(194.1,43.73) 194.1,42.47 ; 194.1,42.47 194.72,41.85 ; 194.1,42.47 194.72,41.85 ; 228.42,42.65 D14#19.6 228.42,42.65 ; 228.42,42.65 227.2,43.87 ; 228.42,42.65 227.2,43.87 ; 227.2,43.87 v1(227.2,44.58) 227.2,43.87 ; 228.42,51.15 D14#18.6 228.42,51.15 ; 228.42,51.15 227.2,52.37 ; 228.42,51.15 227.2,52.37 ; 227.2,52.37 v1(227.2,53.08) 227.2,52.37 ; 203.83,50.75 203.42,50.35 ; 203.83,50.75 204.75,50.75 ; 203.83,50.75 204.75,50.75 ; 203.83,50.75 203.42,50.35 ; 203.42,50.35 200.17,50.35 ; 203.42,50.35 200.17,50.35 ; 194.72,50.35 197.2,50.35 ; 194.72,50.35 194.1,50.97 ; 194.72,50.35 197.2,50.35 ; 194.72,50.35 194.1,50.97 ; 197.2,50.35 198.6,51.75 ; 197.2,50.35 198.6,51.75 ; 198.6,51.75 v1(198.6,51.92) ; 198.6,51.75 v1(198.6,51.92) ; v1(198.6,51.92) 199.1,51.42 ; v1(198.6,51.92) 199.1,51.42 ; 194.1,50.97 v1(194.1,52.23) 194.1,50.97 ; 190.33,52.13 v1(190.5,52.3) 190.33,52.13 ; 190.33,52.13 190.33,50.75 190.33,52.13 ; D12#18.3 201.37,54.35 D12#18.3 ; D12#18.3 199.31,54.35 ; D12#18.3 199.31,54.35 ; 199.31,54.35 199.12,54.16 ; 199.31,54.35 199.12,54.16 ; 199.12,54.16 v1(198.62,53.66) 199.12,54.16 ; 204.75,50.75 204.75,51.84 ; 204.75,50.75 204.75,51.84 ; 200.17,50.35 199.1,51.42 ; 200.17,50.35 199.1,51.42 ; 209.05,51.06 v1(209.05,51.76) 209.05,51.06 ; 209.05,51.06 209.05,50.95 ; 209.05,51.06 209.05,50.95 ; 209.05,50.95 209.25,50.75 209.05,50.95 ; 204.75,51.84 v1(204.81,51.9) 204.75,51.84 ; 214.29,53.46 213.39,54.35 ; 214.29,53.46 v1(214.29,52.75) 214.29,53.46 ; 214.29,53.46 213.39,54.35 ; 213.39,54.35 D13#17.4 213.39,54.35 ; 227.2,26.87 v1(227.2,27.58) 227.2,26.87 ; 227.2,26.87 228.42,25.65 ; 227.2,26.87 228.42,25.65 ; 228.42,25.65 D14#25.6 228.42,25.65 ; 203.83,25.25 203.42,24.85 ; 203.83,25.25 204.75,25.25 ; 203.83,25.25 203.42,24.85 ; 203.83,25.25 204.75,25.25 ; 203.42,24.85 200.17,24.85 ; 203.42,24.85 200.17,24.85 ; 198.6,26.25 v1(198.6,26.42) ; 198.6,26.25 197.2,24.85 ; 198.6,26.25 v1(198.6,26.42) ; 198.6,26.25 197.2,24.85 ; v1(198.6,26.42) 199.1,25.92 ; v1(198.6,26.42) 199.1,25.92 ; 194.72,24.85 197.2,24.85 ; 194.72,24.85 194.1,25.47 ; 194.72,24.85 197.2,24.85 ; 194.72,24.85 194.1,25.47 ; 214.29,27.96 v1(214.29,27.25) 214.29,27.96 ; 214.29,27.96 213.39,28.85 ; 214.29,27.96 213.39,28.85 ; 213.39,28.85 D13#25.4 213.39,28.85 ; 204.75,25.25 204.75,26.34 ; 204.75,25.25 204.75,26.34 ; 204.75,26.34 v1(204.81,26.4) 204.75,26.34 ; 209.05,25.56 v1(209.05,26.26) 209.05,25.56 ; 209.05,25.56 209.05,25.45 ; 209.05,25.56 209.05,25.45 ; 199.1,25.92 200.17,24.85 ; 199.1,25.92 200.17,24.85 ; 209.05,25.45 209.25,25.25 209.05,25.45 ; 199.31,28.85 199.12,28.66 ; 199.31,28.85 D12#28.3 ; 199.31,28.85 199.12,28.66 ; 199.31,28.85 D12#28.3 ; 199.12,28.66 v1(198.62,28.16) 199.12,28.66 ; D12#28.3 201.37,28.85 D12#28.3 ; 190.33,26.63 190.33,25.25 190.33,26.63 ; 190.33,26.63 v1(190.5,26.8) 190.33,26.63 ; 194.1,25.47 v1(194.1,26.73) 194.1,25.47 ; 214.29,10.96 v1(214.29,10.25) 214.29,10.96 ; 214.29,10.96 213.39,11.85 ; 214.29,10.96 213.39,11.85 ; 213.39,11.85 D13#28.4 213.39,11.85 ; 204.75,8.25 204.75,9.34 ; 204.75,8.25 203.83,8.25 ; 204.75,8.25 204.75,9.34 ; 204.75,8.25 203.83,8.25 ; 204.75,9.34 v1(204.81,9.4) 204.75,9.34 ; 209.05,8.56 v1(209.05,9.26) 209.05,8.56 ; 209.05,8.56 209.05,8.45 ; 209.05,8.56 209.05,8.45 ; 199.1,8.92 v1(198.6,9.42) ; 199.1,8.92 200.17,7.85 ; 199.1,8.92 v1(198.6,9.42) ; 199.1,8.92 200.17,7.85 ; v1(198.6,9.42) 198.6,9.25 ; v1(198.6,9.42) 198.6,9.25 ; 209.05,8.45 209.25,8.25 209.05,8.45 ; 203.42,7.85 200.17,7.85 ; 203.42,7.85 203.83,8.25 ; 203.42,7.85 200.17,7.85 ; 203.42,7.85 203.83,8.25 ; 197.2,7.85 198.6,9.25 ; 197.2,7.85 194.72,7.85 ; 197.2,7.85 198.6,9.25 ; 197.2,7.85 194.72,7.85 ; 199.31,11.85 199.12,11.66 ; 199.31,11.85 D12#31.3 ; 199.31,11.85 199.12,11.66 ; 199.31,11.85 D12#31.3 ; 199.12,11.66 v1(198.62,11.16) 199.12,11.66 ; D12#31.3 201.37,11.85 D12#31.3 ; 190.33,9.63 190.33,8.25 190.33,9.63 ; 190.33,9.63 v1(190.5,9.8) 190.33,9.63 ; 194.1,8.47 v1(194.1,9.73) 194.1,8.47 ; 194.1,8.47 194.72,7.85 ; 194.1,8.47 194.72,7.85 ; 228.42,34.15 D14#30.6 228.42,34.15 ; 228.42,34.15 227.2,35.37 ; 228.42,34.15 227.2,35.37 ; 227.2,35.37 v1(227.2,36.08) 227.2,35.37 ; 204.75,33.75 204.75,34.84 ; 204.75,33.75 203.83,33.75 ; 204.75,33.75 203.83,33.75 ; 204.75,33.75 204.75,34.84 ; 204.75,34.84 v1(204.81,34.9) 204.75,34.84 ; 209.05,33.95 209.05,34.06 ; 209.05,33.95 209.25,33.75 209.05,33.95 ; 209.05,33.95 209.05,34.06 ; 209.05,34.06 v1(209.05,34.76) 209.05,34.06 ; 199.1,34.42 v1(198.6,34.92) ; 199.1,34.42 200.17,33.35 ; 199.1,34.42 200.17,33.35 ; 199.1,34.42 v1(198.6,34.92) ; v1(198.6,34.92) 198.6,34.75 ; v1(198.6,34.92) 198.6,34.75 ; 203.42,33.35 200.17,33.35 ; 203.42,33.35 203.83,33.75 ; 203.42,33.35 203.83,33.75 ; 203.42,33.35 200.17,33.35 ; 197.2,33.35 198.6,34.75 ; 197.2,33.35 194.72,33.35 ; 197.2,33.35 194.72,33.35 ; 197.2,33.35 198.6,34.75 ; 199.31,37.35 199.12,37.16 ; 199.31,37.35 D12#27.3 ; 199.31,37.35 D12#27.3 ; 199.31,37.35 199.12,37.16 ; 199.12,37.16 v1(198.62,36.66) 199.12,37.16 ; D12#27.3 201.37,37.35 D12#27.3 ; 190.33,35.13 190.33,33.75 190.33,35.13 ; 190.33,35.13 v1(190.5,35.3) 190.33,35.13 ; 194.1,33.97 v1(194.1,35.23) 194.1,33.97 ; 194.1,33.97 194.72,33.35 ; 194.1,33.97 194.72,33.35 ; 214.29,36.46 v1(214.29,35.75) 214.29,36.46 ; 214.29,36.46 213.39,37.35 